# KiCad board EnvKB65HS.kicad_pcb
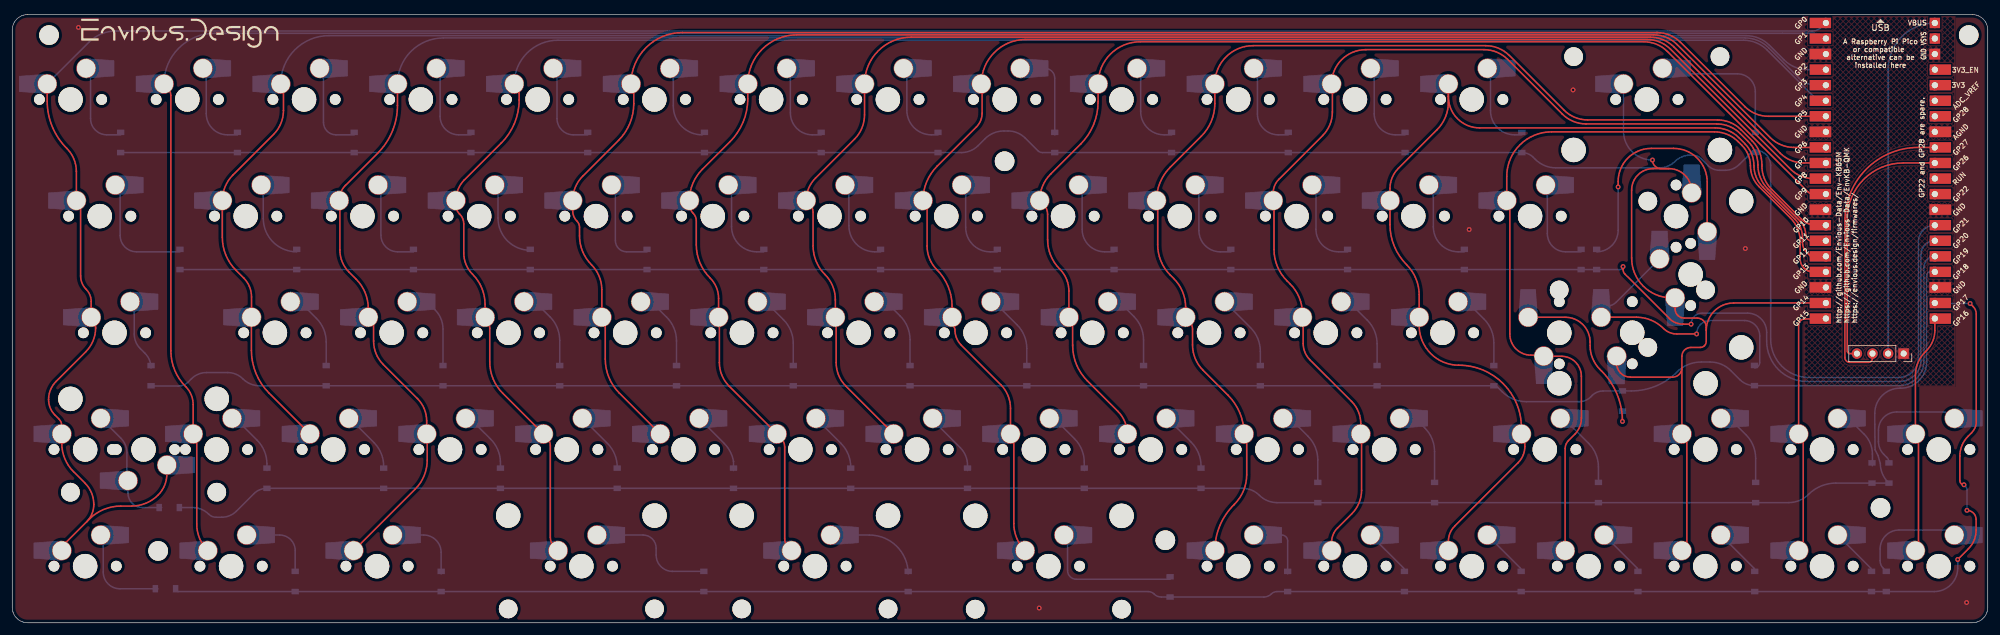
[diagram p0: board, top side]
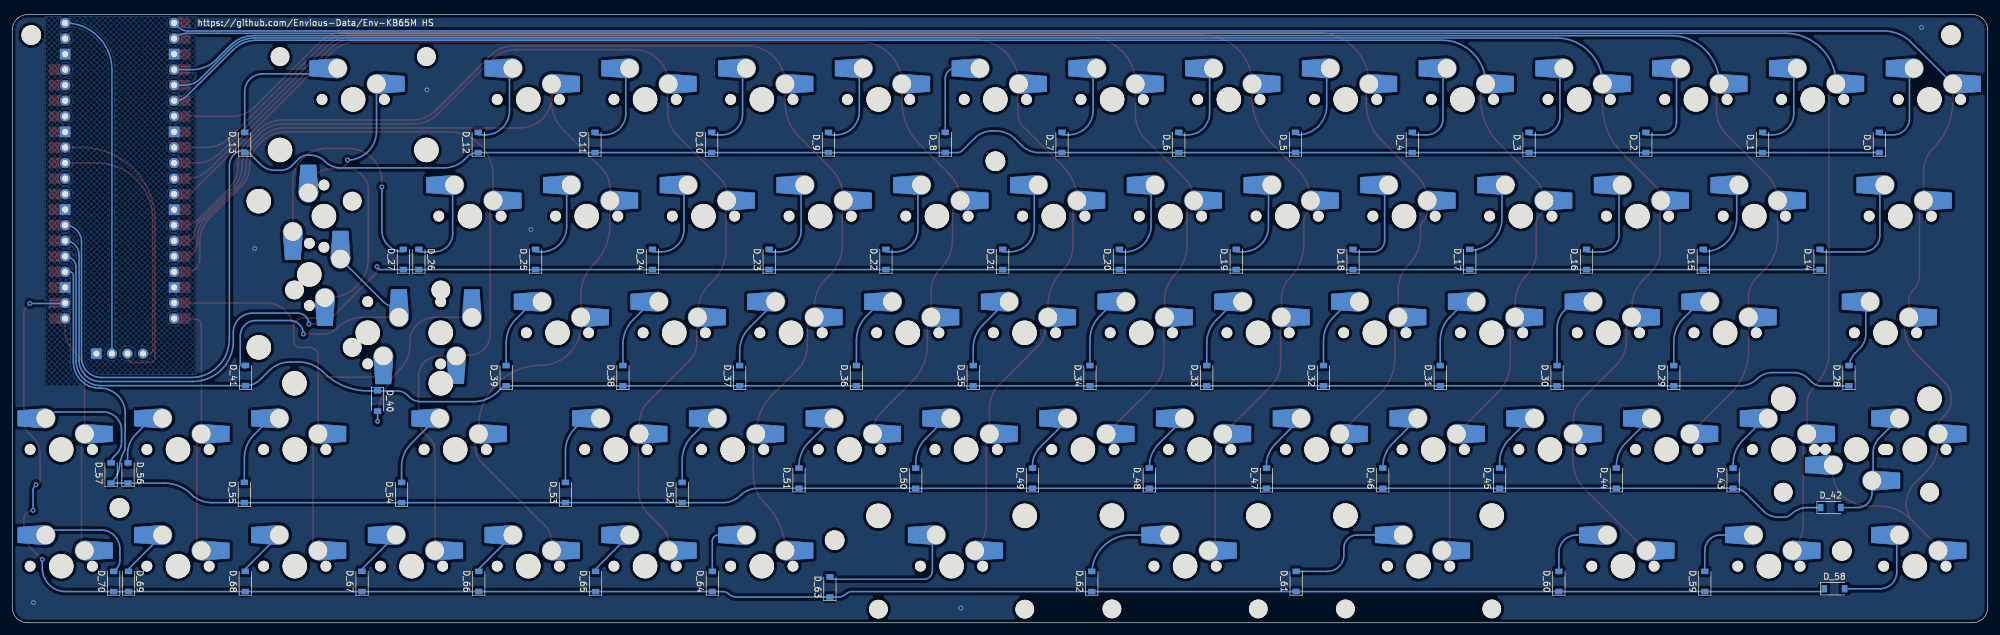
[diagram p1: board, bottom side, seen from below]

Outline 322.3 x 99.3 mm; copper layers: Top, Bottom. Coordinates in mm from the lower left corner of the outline.
Outline path: 0,96.8 arc(0.73,98.57) 2.5,99.3 319.8,99.3 arc(321.57,98.57) 322.3,96.8 322.3,2.5 arc(321.57,0.73) 319.8,0 2.5,0 arc(0.73,0.73) 0,2.5 0,96.8
Stack: Top 0.035mm / dielectric 1.51mm FR4 er 4.5 / Bottom 0.035mm

## Placement (name value [footprint] x y rotation side)
D_0  1n4148  [D_SOD-123]  17.68 78.42 90 bottom
D_1  1n4148  [D_SOD-123]  36.73 78.42 90 bottom
D_2  1n4148  [D_SOD-123]  55.78 78.42 90 bottom
D_3  1n4148  [D_SOD-123]  74.83 78.42 90 bottom
D_4  1n4148  [D_SOD-123]  93.88 78.42 90 bottom
D_5  1n4148  [D_SOD-123]  112.93 78.42 90 bottom
D_6  1n4148  [D_SOD-123]  131.98 78.42 90 bottom
D_7  1n4148  [D_SOD-123]  151.03 78.42 90 bottom
D_8  1n4148  [D_SOD-123]  170.08 78.42 90 bottom
D_9  1n4148  [D_SOD-123]  189.13 78.42 90 bottom
D_10  1n4148  [D_SOD-123]  208.18 78.42 90 bottom
D_11  1n4148  [D_SOD-123]  227.23 78.42 90 bottom
D_12  1n4148  [D_SOD-123]  246.28 78.42 90 bottom
D_13  1n4148  [D_SOD-123]  284.38 78.42 90 bottom
D_14  1n4148  [D_SOD-123]  27.36 59.32 90 bottom
D_15  1n4148  [D_SOD-123]  46.41 59.32 90 bottom
D_16  1n4148  [D_SOD-123]  65.46 59.32 90 bottom
D_17  1n4148  [D_SOD-123]  84.51 59.32 90 bottom
D_18  1n4148  [D_SOD-123]  103.56 59.32 90 bottom
D_19  1n4148  [D_SOD-123]  122.61 59.32 90 bottom
D_20  1n4148  [D_SOD-123]  141.66 59.32 90 bottom
D_21  1n4148  [D_SOD-123]  160.71 59.32 90 bottom
D_22  1n4148  [D_SOD-123]  179.76 59.32 90 bottom
D_23  1n4148  [D_SOD-123]  198.81 59.32 90 bottom
D_24  1n4148  [D_SOD-123]  217.86 59.32 90 bottom
D_25  1n4148  [D_SOD-123]  236.91 59.32 90 bottom
D_26  1n4148  [D_SOD-123]  255.96 59.32 90 bottom
D_27  1n4148  [D_SOD-123]  258.49 59.32 90 bottom
D_28  1n4148  [D_SOD-123]  22.65 40.34 90 bottom
D_29  1n4148  [D_SOD-123]  51.22 40.34 90 bottom
D_30  1n4148  [D_SOD-123]  70.27 40.34 90 bottom
D_31  1n4148  [D_SOD-123]  89.32 40.34 90 bottom
D_32  1n4148  [D_SOD-123]  108.37 40.34 90 bottom
D_33  1n4148  [D_SOD-123]  127.42 40.34 90 bottom
D_34  1n4148  [D_SOD-123]  146.47 40.34 90 bottom
D_35  1n4148  [D_SOD-123]  165.52 40.34 90 bottom
D_36  1n4148  [D_SOD-123]  184.57 40.34 90 bottom
D_37  1n4148  [D_SOD-123]  203.62 40.34 90 bottom
D_38  1n4148  [D_SOD-123]  222.67 40.34 90 bottom
D_39  1n4148  [D_SOD-123]  241.72 40.34 90 bottom
D_40  1n4148  [D_SOD-123]  262.7 36.2 270 bottom
D_41  1n4148  [D_SOD-123]  284.23 40.37 90 bottom
D_42  1n4148  [D_SOD-123]  25.62 18.81 180 bottom
D_43  1n4148  [D_SOD-123]  41.55 23.6 90 bottom
D_44  1n4148  [D_SOD-123]  60.6 23.6 90 bottom
D_45  1n4148  [D_SOD-123]  79.65 23.6 90 bottom
D_46  1n4148  [D_SOD-123]  98.7 23.6 90 bottom
D_47  1n4148  [D_SOD-123]  117.67 23.6 90 bottom
D_48  1n4148  [D_SOD-123]  136.8 23.6 90 bottom
D_49  1n4148  [D_SOD-123]  155.85 23.6 90 bottom
D_50  1n4148  [D_SOD-123]  174.9 23.6 90 bottom
D_51  1n4148  [D_SOD-123]  193.95 23.6 90 bottom
D_52  1n4148  [D_SOD-123]  213 21.27 90 bottom
D_53  1n4148  [D_SOD-123]  232.05 21.27 90 bottom
D_54  1n4148  [D_SOD-123]  258.78 21.27 90 bottom
D_55  1n4148  [D_SOD-123]  284.43 21.27 90 bottom
D_56  1n4148  [D_SOD-123]  303.41 24.46 90 bottom
D_57  1n4148  [D_SOD-123]  306.18 24.46 90 bottom
D_58  1n4148  [D_SOD-123]  25 5.55 180 bottom
D_59  1n4148  [D_SOD-123]  46.16 6.74 90 bottom
D_60  1n4148  [D_SOD-123]  69.97 6.74 90 bottom
D_61  1n4148  [D_SOD-123]  112.83 6.74 90 bottom
D_62  1n4148  [D_SOD-123]  146.17 6.74 90 bottom
D_63  1n4148  [D_SOD-123]  188.9 5.85 90 bottom
D_64  1n4148  [D_SOD-123]  208.08 6.74 90 bottom
D_65  1n4148  [D_SOD-123]  227.13 6.74 90 bottom
D_66  1n4148  [D_SOD-123]  246.18 6.74 90 bottom
D_67  1n4148  [D_SOD-123]  265.23 6.74 90 bottom
D_68  1n4148  [D_SOD-123]  284.28 6.74 90 bottom
D_69  1n4148  [D_SOD-123]  303.33 6.74 90 bottom
D_70  1n4148  [D_SOD-123]  305.75 6.74 90 bottom
H0  C2928180  [MountingHole_3.2mm_M3]  319.2 95.95 0 top
H1  C2928180  [MountingHole_3.2mm_M3]  6 95.95 0 top
H2  C2928180  [MountingHole_3.2mm_M3]  23.8 11.73 0 top
H3  C2928180  [MountingHole_3.2mm_M3]  304.8 18.75 0 top
H4  C2928180  [MountingHole_3.2mm_M3]  161.9 75.35 0 top
H5  C2928180  [MountingHole_3.2mm_M3]  188.12 13.47 0 top
J1  Conn_01x04  [PinSocket_1x04_P2.54mm_Vertical]  308.58 43.95 270 top
K_0  KEYSW  [MXOnly-1U-Hotswap-Modified]  9.51 85.44 0 top
K_1  KEYSW  [MXOnly-1U-Hotswap-Modified]  28.56 85.44 0 top
K_2  KEYSW  [MXOnly-1U-Hotswap-Modified]  47.61 85.44 0 top
K_3  KEYSW  [MXOnly-1U-Hotswap-Modified]  66.66 85.44 0 top
K_4  KEYSW  [MXOnly-1U-Hotswap-Modified]  85.71 85.44 0 top
K_5  KEYSW  [MXOnly-1U-Hotswap-Modified]  104.76 85.44 0 top
K_6  KEYSW  [MXOnly-1U-Hotswap-Modified]  123.81 85.44 0 top
K_7  KEYSW  [MXOnly-1U-Hotswap-Modified]  142.86 85.44 0 top
K_8  KEYSW  [MXOnly-1U-Hotswap-Modified]  161.91 85.44 0 top
K_9  KEYSW  [MXOnly-1U-Hotswap-Modified]  180.96 85.44 0 top
K_10  KEYSW  [MXOnly-1U-Hotswap-Modified]  200.01 85.44 0 top
K_11  KEYSW  [MXOnly-1U-Hotswap-Modified]  219.06 85.44 0 top
K_12  KEYSW  [MXOnly-1U-Hotswap-Modified]  238.11 85.44 0 top
K_13  KEYSW  [MXOnly-1U-Hotswap-Modified]  266.68 85.44 0 top
K_14  KEYSW  [MXOnly-1U-Hotswap-Modified]  14.27 66.39 0 top
K_15  KEYSW  [MXOnly-1U-Hotswap-Modified]  38.08 66.39 0 top
K_16  KEYSW  [MXOnly-1U-Hotswap-Modified]  57.13 66.39 0 top
K_17  KEYSW  [MXOnly-1U-Hotswap-Modified]  76.18 66.39 0 top
K_18  KEYSW  [MXOnly-1U-Hotswap-Modified]  95.23 66.39 0 top
K_19  KEYSW  [MXOnly-1U-Hotswap-Modified]  114.28 66.39 0 top
K_20  KEYSW  [MXOnly-1U-Hotswap-Modified]  133.33 66.39 0 top
K_21  KEYSW  [MXOnly-1U-Hotswap-Modified]  152.38 66.39 0 top
K_22  KEYSW  [MXOnly-1U-Hotswap-Modified]  171.43 66.39 0 top
K_23  KEYSW  [MXOnly-1U-Hotswap-Modified]  190.48 66.39 0 top
K_24  KEYSW  [MXOnly-1U-Hotswap-Modified]  209.53 66.39 0 top
K_25  KEYSW  [MXOnly-1U-Hotswap-Modified]  228.58 66.39 0 top
K_26  KEYSW  [MXOnly-1U-Hotswap-Modified]  247.63 66.39 0 top
K_27  KEYSW  [MXOnly-1U-Hotswap-Modified]  271.45 66.39 270 top
K_28  KEYSW  [MXOnly-1U-Hotswap-Modified]  264.3 47.35 90 top
K_29  KEYSW  [MXOnly-1U-Hotswap-Modified]  16.68 47.34 0 top
K_30  KEYSW  [MXOnly-1U-Hotswap-Modified]  42.85 47.34 0 top
K_31  KEYSW  [MXOnly-1U-Hotswap-Modified]  61.9 47.34 0 top
K_32  KEYSW  [MXOnly-1U-Hotswap-Modified]  80.95 47.34 0 top
K_33  KEYSW  [MXOnly-1U-Hotswap-Modified]  100 47.34 0 top
K_34  KEYSW  [MXOnly-1U-Hotswap-Modified]  119.05 47.34 0 top
K_35  KEYSW  [MXOnly-1U-Hotswap-Modified]  138.1 47.34 0 top
K_36  KEYSW  [MXOnly-1U-Hotswap-Modified]  157.15 47.34 0 top
K_37  KEYSW  [MXOnly-1U-Hotswap-Modified]  176.2 47.34 0 top
K_38  KEYSW  [MXOnly-1U-Hotswap-Modified]  195.25 47.34 0 top
K_39  KEYSW  [MXOnly-1U-Hotswap-Modified]  214.3 47.34 0 top
K_40  KEYSW  [MXOnly-1U-Hotswap-Modified]  233.35 47.34 0 top
K_41  KEYSW  [MXOnly-1U-Hotswap-Modified]  252.4 47.34 90 top
K_42  KEYSW  [MXOnly-1U-Hotswap-Modified]  273.83 56.87 90 top
K_43  KEYSW  [MXOnly-1U-Hotswap-Modified]  21.42 28.29 180 top
K_44  KEYSW  [MXOnly-1U-Hotswap-Modified]  11.89 28.29 0 top
K_45  KEYSW  [MXOnly-1U-Hotswap-Modified]  33.32 28.29 0 top
K_46  KEYSW  [MXOnly-1U-Hotswap-Modified]  52.37 28.29 0 top
K_47  KEYSW  [MXOnly-1U-Hotswap-Modified]  71.42 28.29 0 top
K_48  KEYSW  [MXOnly-1U-Hotswap-Modified]  90.47 28.29 0 top
K_49  KEYSW  [MXOnly-1U-Hotswap-Modified]  109.52 28.29 0 top
K_50  KEYSW  [MXOnly-1U-Hotswap-Modified]  128.57 28.29 0 top
K_51  KEYSW  [MXOnly-1U-Hotswap-Modified]  147.62 28.29 0 top
K_52  KEYSW  [MXOnly-1U-Hotswap-Modified]  166.67 28.29 0 top
K_53  KEYSW  [MXOnly-1U-Hotswap-Modified]  185.72 28.29 0 top
K_54  KEYSW  [MXOnly-1U-Hotswap-Modified]  204.77 28.29 0 top
K_55  KEYSW  [MXOnly-1U-Hotswap-Modified]  223.82 28.29 0 top
K_56  KEYSW  [MXOnly-1U-Hotswap-Modified]  250.03 28.29 0 top
K_57  KEYSW  [MXOnly-1U-Hotswap-Modified]  276.21 28.29 0 top
K_58  KEYSW  [MXOnly-1U-Hotswap-Modified]  295.26 28.29 0 top
K_59  KEYSW  [MXOnly-1U-Hotswap-Modified]  314.31 28.29 0 top
K_60  KEYSW  [MXOnly-1U-Hotswap-Modified]  11.89 9.24 0 top
K_61  KEYSW  [MXOnly-1U-Hotswap-Modified]  35.7 9.24 0 top
K_62  KEYSW  [MXOnly-1U-Hotswap-Modified]  59.52 9.24 0 top
K_63  KEYSW  [MXOnly-1U-Hotswap-Modified]  92.85 9.24 0 top
K_64  KEYSW  [MXOnly-1U-Hotswap-Modified]  130.95 9.24 0 top
K_65  KEYSW  [MXOnly-1U-Hotswap-Modified]  169.05 9.24 0 top
K_66  KEYSW  [MXOnly-1U-Hotswap-Modified]  200.01 9.24 0 top
K_67  KEYSW  [MXOnly-1U-Hotswap-Modified]  219.06 9.24 0 top
K_68  KEYSW  [MXOnly-1U-Hotswap-Modified]  238.11 9.24 0 top
K_69  KEYSW  [MXOnly-1U-Hotswap-Modified]  257.16 9.24 0 top
K_70  KEYSW  [MXOnly-1U-Hotswap-Modified]  276.21 9.24 0 top
K_71  KEYSW  [MXOnly-1U-Hotswap-Modified]  295.26 9.24 0 top
K_72  KEYSW  [MXOnly-1U-Hotswap-Modified]  314.31 9.24 0 top
kibuzzard-62927A63  G***  [kibuzzard-62927A63]  27.34 96.25 0 top
ST1  STABILIZER  [Stabilizer_Cherry_MX_2u]  92.85 9.24 180 top
ST2  STABILIZER  [Stabilizer_Cherry_MX_2u]  264.32 47.35 0 top
ST3  STABILIZER  [Stabilizer_Cherry_MX_2u]  169.05 9.2 180 top
ST4  STABILIZER  [Stabilizer_Cherry_MX_2u]  266.68 85.45 0 top
ST5  STABILIZER  [Stabilizer_Cherry_MX_2u]  21.42 28.3 180 top
ST6  STABILIZER  [Stabilizer_Cherry_MX_2u]  273.82 56.9 90 top
ST7  STABILIZER  [Stabilizer_Cherry_MX_2u]  130.95 9.24 180 top
U0  Pico  [RPi_Pico_SMD_TH]  304.78 73.8 0 top

## Library data of the parts
D_0-D_70 = -: LCSC part: C727111

## Footprints (pads in the part's own frame, mm; a bottom-side part is the same pattern mirrored in y, then rotated)
D_SOD-123
  rect 0.9x1.2 smd: 1(-1.65,0) 2(1.65,0)
MountingHole_3.2mm_M3
  round 3.2 hole 3.2 unplated: (0,0)
MXOnly-1U-Hotswap-Modified
  rect 2.55x2.5 smd: (-7.085,2.54) (5.815,5.08)
  round 1.75 hole 1.75 unplated: (-5.08,0) (5.08,0)
  round 3.988 hole 3.988 unplated: (0,0)
  rect 5.5x2.5 smd far side: 1(-5.61,2.54) 2(4.34,5.08)
  round 3.2 hole 3: 1(-3.81,2.54) 2(2.54,5.08)
PinSocket_1x04_P2.54mm_Vertical
  rect 1.7x1.7 hole 1: 1(0,0)
  oval 1.7x1.7 hole 1: 2(0,-2.54) 3(0,-5.08) 4(0,-7.62)
RPi_Pico_SMD_TH
  oval 1.7x1.7 hole 1.02: 1(-8.89,24.13) 2(-8.89,21.59) 4(-8.89,16.51) 5(-8.89,13.97) 6(-8.89,11.43) 7(-8.89,8.89) 9(-8.89,3.81) 10(-8.89,1.27) 11(-8.89,-1.27) 12(-8.89,-3.81) 14(-8.89,-8.89) 15(-8.89,-11.43) 16(-8.89,-13.97) 17(-8.89,-16.51) 19(-8.89,-21.59) 20(-8.89,-24.13) 21(8.89,-24.13) 22(8.89,-21.59) 24(8.89,-16.51) 25(8.89,-13.97) 26(8.89,-11.43) 27(8.89,-8.89) 29(8.89,-3.81) 30(8.89,-1.27) 31(8.89,1.27) 32(8.89,3.81) 34(8.89,8.89) 35(8.89,11.43) 36(8.89,13.97) 37(8.89,16.51) 39(8.89,21.59) 40(8.89,24.13)
  rect 3.5x1.7 smd: 1(-8.89,24.13) 2(-8.89,21.59) 3(-8.89,19.05) 4(-8.89,16.51) 5(-8.89,13.97) 6(-8.89,11.43) 7(-8.89,8.89) 8(-8.89,6.35) 9(-8.89,3.81) 10(-8.89,1.27) 11(-8.89,-1.27) 12(-8.89,-3.81) 13(-8.89,-6.35) 14(-8.89,-8.89) 15(-8.89,-11.43) 16(-8.89,-13.97) 17(-8.89,-16.51) 18(-8.89,-19.05) 19(-8.89,-21.59) 20(-8.89,-24.13) 21(8.89,-24.13) 22(8.89,-21.59) 23(8.89,-19.05) 24(8.89,-16.51) 25(8.89,-13.97) 26(8.89,-11.43) 27(8.89,-8.89) 28(8.89,-6.35) 29(8.89,-3.81) 30(8.89,-1.27) 31(8.89,1.27) 32(8.89,3.81) 33(8.89,6.35) 34(8.89,8.89) 35(8.89,11.43) 36(8.89,13.97) 37(8.89,16.51)
  rect 1.7x1.7 hole 1.02: 3(-8.89,19.05) 8(-8.89,6.35) 13(-8.89,-6.35) 18(-8.89,-19.05) 23(8.89,-19.05) 28(8.89,-6.35) 33(8.89,6.35) 38(8.89,19.05)
  rect 1.7x1.7 smd: 38(8.89,19.05) 39(8.89,21.59) 40(8.89,24.13)
Stabilizer_Cherry_MX_2u
  round 3.048 hole 3.048 unplated: (-11.938,6.985) (11.938,6.985)
  round 3.988 hole 3.988 unplated: (-11.938,-8.255) (11.938,-8.255)

## Nets
GND: J1.1 U0.3 U0.8 U0.13 U0.18 U0.23 U0.28 U0.33 U0.38
col0: K_0.1 K_14.1 K_29.1 K_43.1 K_44.1 K_60.1 U0.1
col1: K_1.1 K_45.1 K_61.1 U0.2
col2: K_2.1 K_15.1 K_30.1 K_46.1 U0.4
col3: K_3.1 K_16.1 K_31.1 K_47.1 K_62.1 U0.5
col4: K_4.1 K_17.1 K_32.1 K_48.1 K_63.1 U0.6
col5: K_5.1 K_18.1 K_33.1 K_49.1 U0.7
col6: K_6.1 K_19.1 K_34.1 K_50.1 K_64.1 U0.9
col7: K_7.1 K_20.1 K_35.1 K_51.1 U0.10
col8: K_8.1 K_21.1 K_36.1 K_52.1 K_65.1 U0.11
col9: K_9.1 K_22.1 K_37.1 K_53.1 U0.12
col10: K_10.1 K_23.1 K_38.1 K_54.1 K_66.1 U0.14
col11: K_11.1 K_24.1 K_39.1 K_55.1 K_67.1 U0.15
col12: K_12.1 K_25.1 K_40.1 K_56.1 K_68.1 U0.16
col13: K_26.1 K_41.1 K_69.1 U0.17
col14: K_13.1 K_27.1 K_28.1 K_42.1 K_57.1 K_70.1 U0.19
col15: K_58.1 K_71.1 U0.20
col16: K_59.1 K_72.1 U0.21
GPIO22: U0.29
GPIO28: U0.34
I2C-SCL: J1.3 U0.32
I2C-SDA: J1.4 U0.31
row0: D_0.1 D_1.1 D_2.1 D_3.1 D_4.1 D_5.1 D_6.1 D_7.1 D_8.1 D_9.1 D_10.1 D_11.1 D_12.1 D_13.1 U0.27
row1: D_14.1 D_15.1 D_16.1 D_17.1 D_18.1 D_19.1 D_20.1 D_21.1 D_22.1 D_23.1 D_24.1 D_25.1 D_26.1 D_27.1 U0.26
row2: D_28.1 D_29.1 D_30.1 D_31.1 D_32.1 D_33.1 D_34.1 D_35.1 D_36.1 D_37.1 D_38.1 D_39.1 D_40.1 D_41.1 U0.25
row3: D_42.1 D_43.1 D_44.1 D_45.1 D_46.1 D_47.1 D_48.1 D_49.1 D_50.1 D_51.1 D_52.1 D_53.1 D_54.1 D_55.1 D_56.1 D_57.1 U0.24
row4: D_58.1 D_59.1 D_60.1 D_61.1 D_62.1 D_63.1 D_64.1 D_65.1 D_66.1 D_67.1 D_68.1 D_69.1 D_70.1 U0.22
USBVBUS: J1.2 U0.40
Net-(D_0-Pad2): D_0.2 K_0.2
Net-(D_1-Pad2): D_1.2 K_1.2
Net-(D_2-Pad2): D_2.2 K_2.2
Net-(D_3-Pad2): D_3.2 K_3.2
Net-(D_4-Pad2): D_4.2 K_4.2
Net-(D_5-Pad2): D_5.2 K_5.2
Net-(D_6-Pad2): D_6.2 K_6.2
Net-(D_7-Pad2): D_7.2 K_7.2
Net-(D_8-Pad2): D_8.2 K_8.2
Net-(D_9-Pad2): D_9.2 K_9.2
Net-(D_10-Pad2): D_10.2 K_10.2
Net-(D_11-Pad2): D_11.2 K_11.2
Net-(D_12-Pad2): D_12.2 K_12.2
Net-(D_13-Pad2): D_13.2 K_13.2
Net-(D_14-Pad2): D_14.2 K_14.2
Net-(D_15-Pad2): D_15.2 K_15.2
Net-(D_16-Pad2): D_16.2 K_16.2
Net-(D_17-Pad2): D_17.2 K_17.2
Net-(D_18-Pad2): D_18.2 K_18.2
Net-(D_19-Pad2): D_19.2 K_19.2
Net-(D_20-Pad2): D_20.2 K_20.2
Net-(D_21-Pad2): D_21.2 K_21.2
Net-(D_22-Pad2): D_22.2 K_22.2
Net-(D_23-Pad2): D_23.2 K_23.2
Net-(D_24-Pad2): D_24.2 K_24.2
Net-(D_25-Pad2): D_25.2 K_25.2
Net-(D_26-Pad2): D_26.2 K_26.2
Net-(D_27-Pad2): D_27.2 K_27.2
Net-(D_28-Pad2): D_28.2 K_29.2
Net-(D_29-Pad2): D_29.2 K_30.2
Net-(D_30-Pad2): D_30.2 K_31.2
Net-(D_31-Pad2): D_31.2 K_32.2
Net-(D_32-Pad2): D_32.2 K_33.2
Net-(D_33-Pad2): D_33.2 K_34.2
Net-(D_34-Pad2): D_34.2 K_35.2
Net-(D_35-Pad2): D_35.2 K_36.2
Net-(D_36-Pad2): D_36.2 K_37.2
Net-(D_37-Pad2): D_37.2 K_38.2
Net-(D_38-Pad2): D_38.2 K_39.2
Net-(D_39-Pad2): D_39.2 K_40.2
Net-(D_40-Pad2): D_40.2 K_41.2
Net-(D_41-Pad2): D_41.2 K_28.2 K_42.2
Net-(D_42-Pad2): D_42.2 K_43.2 K_44.2
Net-(D_43-Pad2): D_43.2 K_45.2
Net-(D_44-Pad2): D_44.2 K_46.2
Net-(D_45-Pad2): D_45.2 K_47.2
Net-(D_46-Pad2): D_46.2 K_48.2
Net-(D_47-Pad2): D_47.2 K_49.2
Net-(D_48-Pad2): D_48.2 K_50.2
Net-(D_49-Pad2): D_49.2 K_51.2
Net-(D_50-Pad2): D_50.2 K_52.2
Net-(D_51-Pad2): D_51.2 K_53.2
Net-(D_52-Pad2): D_52.2 K_54.2
Net-(D_53-Pad2): D_53.2 K_55.2
Net-(D_54-Pad2): D_54.2 K_56.2
Net-(D_55-Pad2): D_55.2 K_57.2
Net-(D_56-Pad2): D_56.2 K_58.2
Net-(D_57-Pad2): D_57.2 K_59.2
Net-(D_58-Pad2): D_58.2 K_60.2
Net-(D_59-Pad2): D_59.2 K_61.2
Net-(D_60-Pad2): D_60.2 K_62.2
Net-(D_61-Pad2): D_61.2 K_63.2
Net-(D_62-Pad2): D_62.2 K_64.2
Net-(D_63-Pad2): D_63.2 K_65.2
Net-(D_64-Pad2): D_64.2 K_66.2
Net-(D_65-Pad2): D_65.2 K_67.2
Net-(D_66-Pad2): D_66.2 K_68.2
Net-(D_67-Pad2): D_67.2 K_69.2
Net-(D_68-Pad2): D_68.2 K_70.2
Net-(D_69-Pad2): D_69.2 K_71.2
Net-(D_70-Pad2): D_70.2 K_72.2

Pads without a net: U0 30 35 36 37 39

## Via types
v1: diameter 0.8, hole 0.4, Top to Bottom, 16 vias

## Routing (per net, layer and track width the routed paths; a pad name or vN(x,y) marks a point on that pad's centre or on a via; arc(x,y) is an arc through that point)
GND:
  vias: v1(10.8,97.2) v1(167.55,2.4) v1(237.7,64.2) v1(254.65,87) v1(282.75,61.1) v1(318.85,3.3)
col0: length 392.6
  Top w0.25: 12.15,16.5 12.58,16.93 arc(14.93,18.5) 17.7,19.05 19.45,19.05 arc(21.81,19.52) 23.8,20.85 arc(24.85,22.43) 25.22,24.29 ; 12.15,16.5 8.54,12.89 ; 12.15,16.5 arc(13,17.77) 13.3,19.28 13.3,19.35 arc(12.93,21.21) 11.88,22.79 9.99,24.68 arc(8.58,26.79) 8.08,29.28 K_44.1 ; K_14.1 10.46,73.68 arc(10.06,75.72) 8.9,77.45 arc(6.53,81) 5.7,85.18 K_0.1 ; 11.15,68.24 11.15,56.62 arc(11.38,55.45) 12.05,54.45 arc(12.66,53.54) 12.87,52.46 K_29.1 arc(13.41,49.08) 13.6,48.13 arc(13.18,46.02) 11.99,44.24 7.15,39.4 arc(6.24,38.04) 5.92,36.45 arc(6.2,35.06) 6.98,33.89 7.63,33.24 arc(7.96,32.75) 8.08,32.16
  Bottom w0.25: U0.1 295.24,97.27 arc(294.51,96.79) 293.65,96.62 16.93,96.62 arc(14.54,96.14) 12.51,94.79 K_0.1
col1: length 352.7
  Top w0.25: K_45.1 29.51,35.62 arc(29.2,37.21) 28.3,38.55 arc(26.5,41.24) 25.87,44.41 25.87,86.06 arc(25.73,86.8) 25.31,87.42 ; 30.1,30.24 30.1,16.11 arc(30.57,13.77) K_61.1
  Bottom w0.25: U0.2 arc(294.95,96.02) 293.84,96.24 288.79,96.24 288.79,96.24 33.01,96.24 arc(27.17,93.82) K_1.1
col2: length 323.7
  Top w0.25: K_30.1 39.04,53.19 arc(38.7,54.87) 37.75,56.3 36.5,57.55 arc(34.85,60.01) 34.27,62.92 K_15.1 arc(34.72,71.19) 36,73.1 42.62,79.72 arc(43.83,81.53) 44.25,83.65 44.25,87.53 ; 39.02,49.86 39.02,44.49 arc(39.77,40.69) 41.92,37.47 K_46.1
  Bottom w0.25: U0.4 292.91,90.31 arc(290.83,90.72) 289.06,91.9 286.69,94.27 arc(284.93,95.45) 282.85,95.87 51.68,95.87 arc(46.11,93.56) K_2.1
col3: length 325.4
  Top w0.25: K_3.1 62.85,84.47 arc(62.01,80.25) 59.61,76.66 54.34,71.39 arc(53.59,70.26) K_16.1 ; 67.61,31.63 67.61,32.96 arc(67.22,34.93) 66.11,36.59 60.54,42.16 arc(59.36,43.92) 58.95,46 58.95,49.02 ; 67.7,30.62 67.7,26.55 arc(67.19,23.99) 65.74,21.81 K_62.1 ; 53.45,68.8 53.45,60.85 arc(53.84,58.91) 54.94,57.26 56.1,56.1 arc(57.57,53.9) 58.09,51.3
  Bottom w0.25: U0.5 294.28,87.77 arc(292.78,88.07) 291.52,88.91 286.54,93.9 arc(284.77,95.07) 282.69,95.49 70.36,95.49 arc(65.05,93.29) K_3.1
col4: length 303.7
  Top w0.25: 86.1,31.39 80.02,37.47 arc(78.45,39.82) 77.9,42.59 77.9,48.04 arc(77.7,49.04) K_32.1 77.14,51.98 arc(76.61,54.64) 75.1,56.9 arc(74.04,58.49) 73.67,60.36 73.67,65.14 arc(73.5,65.98) 73.02,66.69 72.94,66.78 arc(72.52,67.4) 72.37,68.14 ; K_17.1 arc(72.74,70.77) 73.78,72.33 79.8,78.35 arc(81.95,81.56) 82.7,85.35 82.7,86.45 arc(82.57,87.12) 82.18,87.7 ; 88.41,12.41 arc(87.95,13.1) 87.79,13.93 87.79,28.91 arc(87.64,29.65) 87.22,30.27
  Bottom w0.25: 295.8,85.23 arc(294.68,85.45) 293.74,86.09 286.3,93.52 arc(284.54,94.7) 282.46,95.11 89.03,95.11 arc(83.99,93.02) K_4.1
col5: length 269.3
  Top w0.25: K_49.1 99.07,37.47 arc(97.35,40.04) 96.75,43.08 96.75,48.52 arc(96.6,49.26) K_33.1 96.19,54.38 arc(95.75,56.58) 94.5,58.45 arc(93.06,60.61) 92.55,63.16 92.55,64.59 arc(92.45,65.11) 92.15,65.55 arc(91.61,66.35) 91.42,67.3 K_18.1 arc(91.85,71.1) 93.08,72.93 98.93,78.78 arc(100.76,81.52) 101.4,84.75 101.4,86.89 ; U0.7 286.51,82.69 arc(284.43,83.1) 282.67,84.28 272.18,94.77 arc(270.41,95.95) 268.33,96.37 109.33,96.37 arc(103.41,93.91) K_5.1
col6: length 269.5
  Top w0.25: 115.37,49.75 115.37,42.48 arc(115.78,40.4) 116.96,38.63 124.13,31.46 ; U0.9 290.67,77.61 arc(288.59,78.02) 286.83,79.2 271.64,94.4 arc(269.87,95.57) 267.79,95.99 128.01,95.99 arc(122.34,93.64) K_6.1 120,85.55 arc(119.25,81.76) 117.1,78.55 112.59,74.04 arc(111.02,71.7) K_19.1 ; K_34.1 115.24,52.95 arc(114.88,54.76) 113.85,56.3 arc(112.18,58.79) 111.6,61.73 111.6,65.64 arc(111.47,66.3) 111.1,66.85 arc(110.64,67.54) 110.47,68.36 ; 125.39,30.2 arc(125.85,29.51) 126.02,28.69 126.02,13.7 arc(126.16,12.97) 126.58,12.34
col7: length 234
  Top w0.25: K_51.1 136.01,38.63 arc(134.83,40.4) 134.42,42.48 134.42,49.75 ; K_35.1 134.29,52.78 arc(133.85,54.98) 132.6,56.85 arc(131.16,59.01) 130.65,61.56 130.65,67.01 arc(130.5,67.75) 130.09,68.37 ; U0.10 292.3,75.07 arc(290.21,75.48) 288.45,76.66 271.09,94.02 arc(269.33,95.2) 267.25,95.61 146.68,95.61 arc(141.28,93.38) K_7.1 139.05,82.93 arc(138.62,80.78) 137.4,78.95 131.04,72.59 arc(129.92,70.91) K_20.1
col8: length 229.4
  Top w0.25: 149.25,68.26 149.25,61.51 arc(149.67,59.42) 150.85,57.65 arc(152.69,54.9) 153.34,51.65 K_36.1 ; 162.86,31.63 162.86,35.03 arc(162.45,37.12) 161.27,38.88 154.84,45.31 arc(154.07,46.46) 153.8,47.82 arc(153.74,48.13) 153.57,48.38 153.34,48.61 ; 158.23,87.85 158.23,83.18 arc(157.99,81.98) 157.31,80.96 150.9,74.55 arc(149.18,71.97) K_21.1 ; 163.4,29.53 163.4,16.23 arc(163.88,13.82) K_65.1 ; 293.78,72.53 arc(291.82,72.92) 290.17,74.02 270.55,93.64 arc(268.79,94.82) 266.7,95.23 165.35,95.23 arc(160.22,93.11) K_8.1
col9: length 194
  Top w0.25: K_37.1 172.39,54.16 arc(172,56.1) 170.9,57.75 arc(169.43,59.95) 168.92,62.54 168.92,66.73 arc(168.75,67.57) 168.27,68.29 ; 173,49.27 173,45.3 arc(173.62,42.16) 175.4,39.5 180.39,34.51 arc(181.52,32.82) K_53.1 ; 293.81,69.99 arc(293.36,70.08) 292.98,70.34 270.05,93.26 arc(268.28,94.44) 266.2,94.86 184.03,94.86 arc(179.16,92.84) K_9.1 177.15,85.03 arc(176.41,81.31) 174.3,78.15 169.42,73.27 arc(168.09,71.28) K_22.1
col10: length 201.6
  Top w0.25: 291.83,65.97 287.04,70.76 arc(285.86,72.52) 285.45,74.6 285.45,74.85 arc(285.04,76.93) 283.86,78.69 282.04,80.51 arc(280.28,81.69) 278.2,82.1 257.02,82.1 arc(254.94,82.51) 253.18,83.69 244.24,92.63 arc(242.47,93.81) 240.39,94.23 202.44,94.23 arc(198.03,92.4) K_10.1 196.2,84.76 arc(195.63,81.89) 194,79.45 188.93,74.38 arc(187.26,71.88) K_23.1 ; 291.83,65.97 arc(293,65.19) 294.39,64.91 arc(293,65.19) 291.83,65.97 ; K_38.1 191.44,51.52 arc(190.93,54.05) 189.5,56.2 188.93,56.77 arc(187.41,59.05) 186.88,61.72 186.88,68.73 ; 201.4,29.77 201.4,24.18 arc(200.88,21.57) 199.4,19.35 199.29,19.24 arc(197,15.82) K_66.1 ; 192,49.32 arc(192.42,48.7) 192.56,47.96 192.56,45.36 arc(193.01,43.12) 194.28,41.22 198.34,37.16 arc(200.28,34.26) K_54.1
col11: length 178.6
  Top w0.25: 205.85,68.2 205.85,60.95 arc(206.41,58.17) 207.98,55.82 208.5,55.3 arc(209.97,53.1) 210.49,50.5 ; 215.38,87.85 215.38,83.38 arc(214.96,81.3) 213.79,79.54 206.62,72.37 arc(205.96,71.38) 205.72,70.2 ; K_55.1 220.01,32.5 arc(219.62,34.48) 218.5,36.15 211.71,42.94 arc(210.9,44.15) 210.62,45.58 210.62,49.75 ; 220.14,30.7 220.14,21.65 arc(219.73,19.56) 218.55,17.8 216.21,15.46 arc(215.5,14.4) 215.25,13.14 ; K_11.1 arc(216.89,91.94) 220.84,93.57 240.12,93.57 arc(242.2,93.16) 243.97,91.98 252.91,83.04 arc(254.67,81.86) 256.75,81.45 278.08,81.45 arc(280.17,81.04) 281.93,79.86 283.21,78.58 arc(284.39,76.82) 284.8,74.73 284.8,74.72 arc(285.21,72.64) 286.39,70.87 291.66,65.61 arc(292.36,64.57) 292.6,63.33 arc(292.88,62.65) 293.56,62.37
col12: length 170.5
  Top w0.25: K_68.1 234.3,13.27 arc(234.57,14.64) 235.35,15.8 245.69,26.14 arc(246.49,27.34) 246.77,28.75 246.77,30.28 ; K_40.1 229.54,53.53 arc(229.01,56.19) 227.5,58.45 arc(225.48,61.47) 224.77,65.03 K_25.1 224.77,70.88 arc(225.13,72.68) 226.15,74.2 232.45,80.5 arc(233.82,82.55) 234.3,84.96 K_12.1 234.3,85.9 arc(235.79,82.29) 239.4,80.8 277.85,80.8 arc(279.93,80.39) 281.69,79.21 282.68,78.22 arc(283.77,76.59) 284.15,74.67 arc(284.53,72.74) 285.62,71.11 290.83,65.9 arc(291.75,64.53) 292.07,62.91 292.07,62.09 arc(292.25,61.23) 292.74,60.49 ; 293.4,59.83 292.74,60.49 ; 292.74,60.49 arc(293.47,60) 294.34,59.83 ; 246.22,31.83 arc(243.23,39.06) 236,42.05 arc(231.43,43.94) 229.54,48.51
col13: length 140.1
  Top w0.25: K_69.1 253.35,28.42 arc(253.49,29.14) 253.9,29.75 254.92,30.77 arc(255.72,31.97) 256,33.37 256,40.25 arc(255.05,42.56) 252.74,43.51 249.88,43.51 ; 249.86,43.69 247.78,43.69 arc(245.34,44.71) 244.32,47.15 244.32,68.43 ; K_26.1 243.82,72.86 arc(245.96,78.01) 251.12,80.15 277.73,80.15 arc(279.82,79.74) 281.58,78.56 282.19,77.95 arc(283.22,76.4) 283.58,74.59 arc(283.94,72.77) 284.97,71.23 290.1,66.1 arc(291.28,64.33) 291.7,62.25 291.7,59.42 arc(291.86,58.6) 292.32,57.91 ; 292.32,57.91 arc(293.01,57.45) 293.82,57.29 arc(293.01,57.45) 292.32,57.91
col14: length 133.8
  Top w0.25: 276.37,47.72 276.37,48.26 arc(275.94,49.31) 274.88,49.75 272.76,49.75 arc(272.2,49.86) 271.72,50.18 arc(271.41,50.65) 271.29,51.21 271.29,51.83 ; 276.37,47.72 276.37,46.02 ; 276.37,47.72 arc(277.69,50.9) 280.86,52.21 U0.19 ; 273.2,30.03 273.2,12.58 ; 272.4,41.63 272.4,43.5 arc(272.82,44.53) 273.85,44.95 275.39,44.95 arc(275.77,45.02) 276.09,45.24 arc(276.3,45.56) 276.37,45.93 ; 272.4,41.63 K_57.1 ; 272.4,41.63 arc(271.95,40.55) 270.87,40.1 263.99,40.1 arc(262.41,40.75) 261.76,42.32 ; 270.26,74.15 269,74.15 arc(268.01,74.56) v1(267.6,75.55) ; 270.26,74.15 267.72,74.15 arc(265.23,73.12) 264.2,70.63 264.2,59.55 arc(266.1,54.96) 270.69,53.06 ; 270.26,74.15 arc(272.9,73.06) 273.99,70.42
  Bottom w0.25: K_13.1 262.87,80.28 arc(264.26,76.93) v1(267.6,75.55)
col15: length 40.3
  Top w0.25: 292.2,12.53 292.2,30.08 ; 295.82,49.6 292.45,49.6 arc(291.74,49.31) 291.45,48.6 K_58.1
col16: length 37.8
  Top w0.25: 311,12.28 311,30.33 ; K_59.1 310.5,40.39 arc(310.91,42.46) 312.08,44.21 312.3,44.43 arc(313.31,45.95) 313.67,47.73 U0.21
I2C-SCL: length 49.9
  Top w0.25: U0.32 311,77.61 arc(302.52,74.09) 299,65.61 299,43.3 arc(299.23,42.74) 299.79,42.51 302.81,42.51 arc(303.3,42.71) 303.5,43.2 J1.3
I2C-SDA: length 42.9
  Top w0.25: U0.31 308.51,75.07 arc(302.06,72.4) 299.39,65.95 299.39,44.36 arc(299.51,44.07) 299.8,43.95 J1.4
row0: length 357.7
  Bottom w0.25: D_13.1 284.38,77.17 ; 284.38,77.17 arc(284.14,77.12) 283.93,76.98 281.79,74.84 arc(280.72,74.13) 279.46,73.87 278.54,73.87 arc(277.51,74.08) 276.64,74.66 275.5,75.8 arc(274.89,76.21) 274.17,76.35 273.77,76.35 arc(272.41,76.08) 271.26,75.31 arc(270.11,74.54) 268.76,74.27 251.83,74.27 arc(250.02,74.63) 248.5,75.65 248.16,75.99 arc(247.3,76.56) D_12.1 D_8.1 168.07,76.77 arc(167.67,76.85) 167.33,77.07 165.28,79.13 arc(163.98,80) 162.45,80.3 161.8,80.3 arc(160.12,79.96) 158.69,79.01 157.58,77.9 arc(156.32,77.06) 154.84,76.77 D_7.1 D_0.1 ; 284.38,77.17 arc(286.15,76.43) 286.88,74.67 286.88,46.31 arc(288.72,41.88) 293.15,40.04 307.73,40.04 arc(310.04,41) 311,43.31 311,62.24 arc(311.78,64.13) U0.27
row1: length 319.4
  Top w0.25: v1(262.8,58.15) 262.8,57.69 arc(262.88,57.27) 263.12,56.91 270.36,49.68 arc(271.38,48.99) 272.59,48.75 v1(273.9,48.75)
  Bottom w0.25: D_14.1 D_27.1 262.32,57.67 arc(262.66,57.81) v1(262.8,58.15) ; U0.26 arc(312.06,61.71) 311.4,60.1 311.4,42.87 arc(310.38,40.41) 307.92,39.39 292.84,39.39 arc(288.17,41.33) 286.23,46 286.23,47.43 arc(285.31,49.63) 283.11,50.55 275.7,50.55 arc(274.43,50.02) v1(273.9,48.75)
row2: length 314.2
  Bottom w0.25: 284.63,38.72 307.83,38.72 arc(310.71,39.91) 311.9,42.78 311.9,58.06 arc(312.42,59.31) U0.25 ; 22.75,38.65 27.12,38.65 arc(27.98,38.82) 28.7,39.3 29.23,39.83 arc(30.36,40.59) 31.69,40.85 35.15,40.85 arc(36.49,40.58) 37.62,39.82 arc(38.88,38.99) 40.36,38.69 D_39.1 arc(242.08,38.62) 242.38,38.42 243.05,37.75 arc(244.88,36.53) 247.03,36.1 255.66,36.1 arc(256.67,36.3) 257.52,36.87 257.76,37.11 arc(258.58,37.66) 259.54,37.85 D_40.1 264.15,37.85 arc(268.17,38.65) 271.57,40.92 arc(273.4,42.15) 275.56,42.57 277,42.57 arc(278.82,42.21) 280.38,41.17 281.84,39.71 arc(282.94,38.97) D_41.1
row3: length 323.3
  Bottom w0.25: U0.24 312.92,57.29 arc(312.5,57.12) 312.32,56.7 312.32,42.53 arc(311.09,39.54) 308.1,38.3 307.98,38.3 arc(305.08,37.1) 303.88,34.2 303.88,32.38 303.92,28.26 304.4,27.3 304.77,26 arc(305.1,24.35) 306.04,22.95 ; D_42.1 29.43,18.81 arc(30.85,18.53) 32.05,17.72 arc(32.6,17.35) 33.26,17.22 34.17,17.22 arc(35.47,17.48) 36.57,18.22 39.42,21.07 arc(40.39,21.72) D_43.1 200.7,21.95 arc(202.2,21.65) 203.48,20.8 arc(204.79,19.92) 206.33,19.62 D_52.1 289.83,19.62 arc(291.57,19.96) 293.05,20.95 arc(295.11,22.32) 297.53,22.81 D_56.1 D_57.1
row4: length 346.2
  Top w0.25: v1(317.4,10.33) 319.15,12.08 arc(320.08,13.46) 320.4,15.09 320.4,16.86 arc(319.96,17.91) v1(318.91,18.35) ; v1(319.43,52.12) 319.93,51.62 arc(320.3,51.07) 320.43,50.42 320.43,32.82 arc(320.23,31.85) 319.68,31.03 319.09,30.44 arc(318.1,28.96) 317.75,27.21 317.75,23.2 arc(317.95,22.72) v1(318.43,22.52)
  Bottom w0.25: v1(318.91,18.35) 318.91,21.7 arc(318.85,22.01) 318.67,22.28 v1(318.43,22.52) ; v1(317.4,10.33) 317.4,8.92 arc(316.28,6.21) 313.57,5.09 D_70.1 D_69.1 D_64.1 206.35,5.09 arc(205.84,4.99) 205.42,4.71 arc(204.86,4.33) 204.19,4.2 D_63.1 187.45,4.2 arc(186.84,4.32) 186.32,4.67 arc(185.85,4.98) 185.3,5.09 D_59.1 27.11,5.09 arc(26.78,5.23) D_58.1 ; v1(319.43,52.12) 313.75,52.12
USBVBUS: length 58.3
  Bottom w0.25: J1.2 306.04,90.3 arc(308.27,95.7) U0.40
Net-(D_0-Pad2): length 13.9
  Bottom w0.25: 12.78,89.8 12.78,82.32 arc(13.55,80.44) 15.43,79.67 17.68,79.67
Net-(D_1-Pad2): length 13.9
  Bottom w0.25: 36.73,79.67 35.11,79.67 arc(32.66,80.68) 31.65,83.12 31.65,89.97
Net-(D_2-Pad2): length 14.4
  Bottom w0.25: 55.78,79.67 52.81,79.67 arc(51.37,80.26) 50.78,81.7 50.78,89.9
Net-(D_3-Pad2): length 14
  Bottom w0.25: 74.83,79.67 72.83,79.67 arc(70.69,80.55) 69.8,82.7 69.8,89.92
Net-(D_4-Pad2): length 14.1
  Bottom w0.25: 88.88,89.9 88.88,82.32 arc(89.65,80.44) 91.53,79.67 93.88,79.67
Net-(D_5-Pad2): length 13
  Bottom w0.25: 107.85,89.97 107.85,84.37 arc(109.23,81.05) 112.56,79.67
Net-(D_6-Pad2): length 13.8
  Bottom w0.25: 131.98,79.67 130.53,79.67 arc(128,80.72) 126.95,83.25 126.95,89.92
Net-(D_7-Pad2): length 13.7
  Bottom w0.25: 151.03,79.67 149.96,79.67 arc(147.12,80.84) 145.95,83.67 145.95,89.97
Net-(D_8-Pad2): length 11.8
  Bottom w0.25: 170.08,79.67 170.08,88.92 arc(169.61,90.05) 168.48,90.52
Net-(D_9-Pad2): length 13.7
  Bottom w0.25: 189.13,79.67 187.91,79.67 arc(185.22,80.78) 184.1,83.47 184.1,89.92
Net-(D_10-Pad2): length 13.8
  Bottom w0.25: 208.18,79.67 206.56,79.67 arc(204.15,80.66) 203.15,83.07 203.15,89.92
Net-(D_11-Pad2): length 13.8
  Bottom w0.25: 222.2,89.92 222.2,83.12 arc(223.21,80.68) 225.66,79.67 227.23,79.67
Net-(D_12-Pad2): length 13.7
  Bottom w0.25: 246.28,79.67 245.11,79.67 arc(242.33,80.82) 241.18,83.6 241.18,90
Net-(D_13-Pad2): length 21.2
  Bottom w0.25: 271.92,89.62 281.45,89.62 arc(283.52,88.77) 284.38,86.69 284.38,79.67
Net-(D_14-Pad2): length 18.7
  Bottom w0.25: 17.6,70.68 17.6,63.25 arc(18.39,61.35) 20.28,60.57 27.36,60.57
Net-(D_15-Pad2): length 13.7
  Bottom w0.25: 40.95,71.15 40.95,66.03 arc(42.55,62.16) 46.41,60.57
Net-(D_16-Pad2): length 14.6
  Bottom w0.25: 65.46,60.57 62.88,60.57 arc(60.95,61.37) 60.15,63.3 60.15,71
Net-(D_17-Pad2): length 13.1
  Bottom w0.25: 79.25,70.95 79.25,66.07 arc(80.79,62.36) 84.51,60.82
Net-(D_18-Pad2): length 14.7
  Bottom w0.25: 103.56,60.57 100.23,60.57 arc(98.94,61.1) 98.4,62.4 98.4,70.85
Net-(D_19-Pad2): length 13.9
  Bottom w0.25: 117.35,70.95 117.35,64.7 arc(118.56,61.78) 121.48,60.57 122.61,60.57
Net-(D_20-Pad2): length 13.6
  Bottom w0.25: 141.66,60.57 140.73,60.57 arc(137.74,61.81) 136.5,64.8 136.5,70.85
Net-(D_21-Pad2): length 13.7
  Bottom w0.25: 155.55,70.85 155.55,64.55 arc(156.72,61.73) 159.53,60.57 160.71,60.57
Net-(D_22-Pad2): length 14
  Bottom w0.25: 174.55,70.9 174.55,64.25 arc(175.63,61.64) 178.23,60.57 179.76,60.57
Net-(D_23-Pad2): length 14
  Bottom w0.25: 198.81,60.57 197.08,60.57 arc(194.62,61.59) 193.6,64.05 193.6,70.9
Net-(D_24-Pad2): length 13.9
  Bottom w0.25: 212.7,70.85 212.7,64.25 arc(213.78,61.64) 216.38,60.57 217.86,60.57
Net-(D_25-Pad2): length 13.5
  Bottom w0.25: 236.91,60.57 235.93,60.57 arc(233.05,61.76) 231.85,64.65 231.85,70.75
Net-(D_26-Pad2): length 14.9
  Bottom w0.25: 250.45,71.2 250.45,63.55 arc(251.32,61.44) 253.43,60.57 255.96,60.57
Net-(D_27-Pad2): length 42.3
  Top w0.25: v1(262,71.15) 262,72.05 arc(263.58,75.87) 267.4,77.45 271.05,77.45 arc(274.92,75.84) 276.53,71.97 K_27.2
  Bottom w0.25: v1(262,71.15) 262,64.08 arc(260.97,61.59) 258.49,60.57
Net-(D_28-Pad2): length 11.9
  Bottom w0.25: K_29.2 arc(19.72,51.67) 19.9,50.79 19.9,47.15 arc(20.16,45.86) 20.89,44.76 21.65,44 arc(22.39,42.9) 22.65,41.59
Net-(D_29-Pad2): length 12
  Bottom w0.25: D_29.2 51.22,45.85 arc(50.81,47.93) 49.63,49.7 46.9,52.42
Net-(D_30-Pad2): length 11.3
  Bottom w0.25: D_30.2 70.27,47.95 arc(69.93,49.66) 68.96,51.11 67.65,52.42
Net-(D_31-Pad2): length 11.9
  Bottom w0.25: D_31.2 89.32,46.1 arc(88.91,48.18) 87.73,49.95 85.25,52.42
Net-(D_32-Pad2): length 11.9
  Bottom w0.25: 104.23,52.42 106.78,49.87 arc(107.96,48.11) 108.37,46.02 D_32.2
Net-(D_33-Pad2): length 12.1
  Bottom w0.25: 122.88,52.42 125.83,49.47 arc(127.01,47.71) 127.42,45.62 D_33.2
Net-(D_34-Pad2): length 11.8
  Bottom w0.25: 142.53,52.42 144.88,50.07 arc(146.06,48.31) 146.47,46.22 D_34.2
Net-(D_35-Pad2): length 12.4
  Bottom w0.25: D_35.2 165.52,44.8 arc(165.11,46.88) 163.93,48.65 160.15,52.42
Net-(D_36-Pad2): length 11.8
  Bottom w0.25: 180.58,52.42 182.98,50.02 arc(184.16,48.26) 184.57,46.17 D_36.2
Net-(D_37-Pad2): length 12.6
  Bottom w0.25: K_38.2 202.03,48.18 arc(203.21,46.41) 203.62,44.33 D_37.2
Net-(D_38-Pad2): length 12.1
  Bottom w0.25: 218.05,52.42 221.08,49.4 arc(222.26,47.63) 222.67,45.55 D_38.2
Net-(D_39-Pad2): length 12
  Bottom w0.25: D_39.2 241.72,45.72 arc(241.31,47.81) 240.13,49.57 237.28,52.42
Net-(D_40-Pad2): length 28.9
  Top w0.25: K_41.2 253.37,49.88 arc(256.24,48.69) 257.43,45.82 257.43,45.24 arc(257.84,43.15) 259.02,41.38 259.29,41.11 arc(261.81,37.33) v1(262.7,32.88)
  Bottom w0.25: v1(262.7,32.88) 262.7,34.95
Net-(D_41-Pad2): length 46.7
  Top w0.25: v1(274.8,47.15) 271.57,47.15 arc(270.4,47.38) 269.4,48.05 arc(267.36,49.41) 264.96,49.89 K_28.2
  Bottom w0.25: K_42.2 261.68,52.33 arc(260.97,51.86) 260.13,51.69 ; v1(274.8,47.15) arc(275.44,48.7) 277,49.35 282.6,49.35 arc(284.37,48.61) 285.1,46.85 285.1,42.48 arc(284.85,41.87) 284.23,41.62
Net-(D_42-Pad2): length 19.2
  Bottom w0.25: 24.37,18.81 21.24,18.81 arc(19.57,19.5) 18.88,21.17 K_43.2 ; 18.7,24.65 18.7,27.76 arc(18.44,29.04) 17.72,30.13 14.51,33.34
Net-(D_43-Pad2): length 10.4
  Bottom w0.25: 36.38,33.37 39.95,29.8 arc(41.13,28.03) 41.55,25.95 41.55,24.85
Net-(D_44-Pad2): length 9.9
  Bottom w0.25: 55.05,33.37 59,29.42 arc(60.18,27.66) 60.6,25.57
Net-(D_45-Pad2): length 10
  Bottom w0.25: 79.64,25.16 79.64,26.36 arc(79.19,28.32) 78.05,29.97 74.65,33.37
Net-(D_46-Pad2): length 10.1
  Bottom w0.25: K_48.2 97.1,29.28 arc(98.28,27.51) 98.7,25.43
Net-(D_47-Pad2): length 10.6
  Bottom w0.25: K_49.2 116.15,29.28 arc(117.14,27.93) 117.67,26.34 arc(117.67,26.33) 117.67,26.33 117.67,24.85
Net-(D_48-Pad2): length 10.1
  Bottom w0.25: K_50.2 135.2,29.28 arc(136.38,27.51) 136.8,25.43
Net-(D_49-Pad2): length 10.4
  Bottom w0.25: 150.16,33.09 154.66,28.59 arc(155.54,27.28) 155.85,25.73 155.85,24.85
Net-(D_50-Pad2): length 10.3
  Bottom w0.25: 169.98,33.37 173.3,30.05 arc(174.48,28.28) 174.9,26.2 174.9,24.85
Net-(D_51-Pad2): length 9.8
  Bottom w0.25: 188.45,33.37 192.35,29.47 arc(193.53,27.71) 193.95,25.62
Net-(D_52-Pad2): length 12.1
  Bottom w0.25: D_52.2 213,26.6 arc(212.58,28.68) 211.4,30.45 208.48,33.37
Net-(D_53-Pad2): length 11.5
  Bottom w0.25: 228.88,33.37 230.46,31.79 arc(231.64,30.03) 232.05,27.96 D_53.2
Net-(D_54-Pad2): length 12.6
  Bottom w0.25: D_54.2 258.78,25.44 arc(258.37,27.52) 257.19,29.28 253.1,33.37
Net-(D_55-Pad2): length 12
  Bottom w0.25: 280.18,33.38 282.84,30.71 arc(284.02,28.94) 284.43,26.86 D_55.2
Net-(D_56-Pad2): length 9.2
  Bottom w0.25: 299.55,33.37 302.14,30.79 arc(303.13,29.3) 303.48,27.54 303.48,25.63
Net-(D_57-Pad2): length 19.5
  Bottom w0.25: 316.33,33.89 arc(315.75,34.28) 315.07,34.41 307.45,34.41 arc(305.34,33.54) 304.47,31.44 304.47,29.58 arc(304.69,28.46) 305.32,27.51 305.84,27 arc(306.09,26.62) 306.18,26.18
Net-(D_58-Pad2): length 16.1
  Bottom w0.25: 14.84,13.91 14.84,8.28 arc(15.64,6.35) 17.57,5.55 23.75,5.55
Net-(D_59-Pad2): length 11
  Bottom w0.25: D_59.2 46.16,11.81 arc(45.42,13.58) 43.64,14.32 K_61.2
Net-(D_60-Pad2): length 11.2
  Bottom w0.25: K_62.2 67.12,14.32 arc(69.14,13.49) 69.97,11.47 69.97,7.99
Net-(D_61-Pad2): length 21.3
  Bottom w0.25: D_61.2 107.71,8.39 arc(105.83,9.17) 105.05,11.05 105.05,12.18 arc(104.42,13.69) 102.91,14.32 K_63.2
Net-(D_62-Pad2): length 14.5
  Bottom w0.25: K_64.2 139.84,14.32 arc(144.32,12.47) 146.17,7.99
Net-(D_63-Pad2): length 22.8
  Bottom w0.25: 188.9,7.1 173.6,7.1 arc(172.59,7.52) 172.18,8.52 172.18,13.74
Net-(D_64-Pad2): length 9.7
  Bottom w0.25: K_66.2 207.12,14.32 arc(207.8,14.04) 208.08,13.36 208.08,7.99
Net-(D_65-Pad2): length 8
  Bottom w0.25: K_67.2 226.99,8.93 arc(227.1,8.77) 227.13,8.59
Net-(D_66-Pad2): length 8
  Bottom w0.25: K_68.2 246.04,8.93 arc(246.15,8.77) 246.18,8.59
Net-(D_67-Pad2): length 8
  Bottom w0.25: K_69.2 265.09,8.93 arc(265.2,8.77) 265.23,8.59
Net-(D_68-Pad2): length 8
  Bottom w0.25: K_70.2 284.14,8.93 arc(284.25,8.77) 284.28,8.59
Net-(D_69-Pad2): length 8
  Bottom w0.25: K_71.2 303.19,8.93 arc(303.3,8.77) 303.33,8.59
Net-(D_70-Pad2): length 17.1
  Bottom w0.25: D_70.2 305.25,8.9 arc(304.87,9.46) 304.74,10.12 304.74,12.04 arc(304.98,13.23) 305.65,14.23 arc(306.65,14.9) 307.84,15.14 316.03,15.14

## Copper pours and planes (outline as drawn; the poured copper is in the pictures)
GND on Top, Bottom: 317.05,38.5 292.2,38.5 292.2,99.4 317.05,99.4
GND on Top, Bottom: 322.3,0 0,0 0,99.3 322.3,99.3

## Text on the board
B.Silkscreen: https://github.com/Envious-Data/Env-KB65M HS
F.Silkscreen: A Raspberry Pi Pico / or compatible / alternative can be / installed here | GP22 and GP28 are spare. | http://github.com/Envious-Data/Env-KB65M / https://github.com/Envious-Data/EnvKB-QMK / https://envious.design/firmwares/ | USB
